# Altium PCB ebox-SPARK-丝印图.PcbDoc (part 1 of 2)
Units mm, origin at the board's own origin, x right, y up, seen from the top; angles counter-clockwise.
Board outline 50.25 x 80.28 mm, 2 copper layers (Top Layer, Bottom Layer); 69 components, 68 nets, 309 pads, 73 vias.
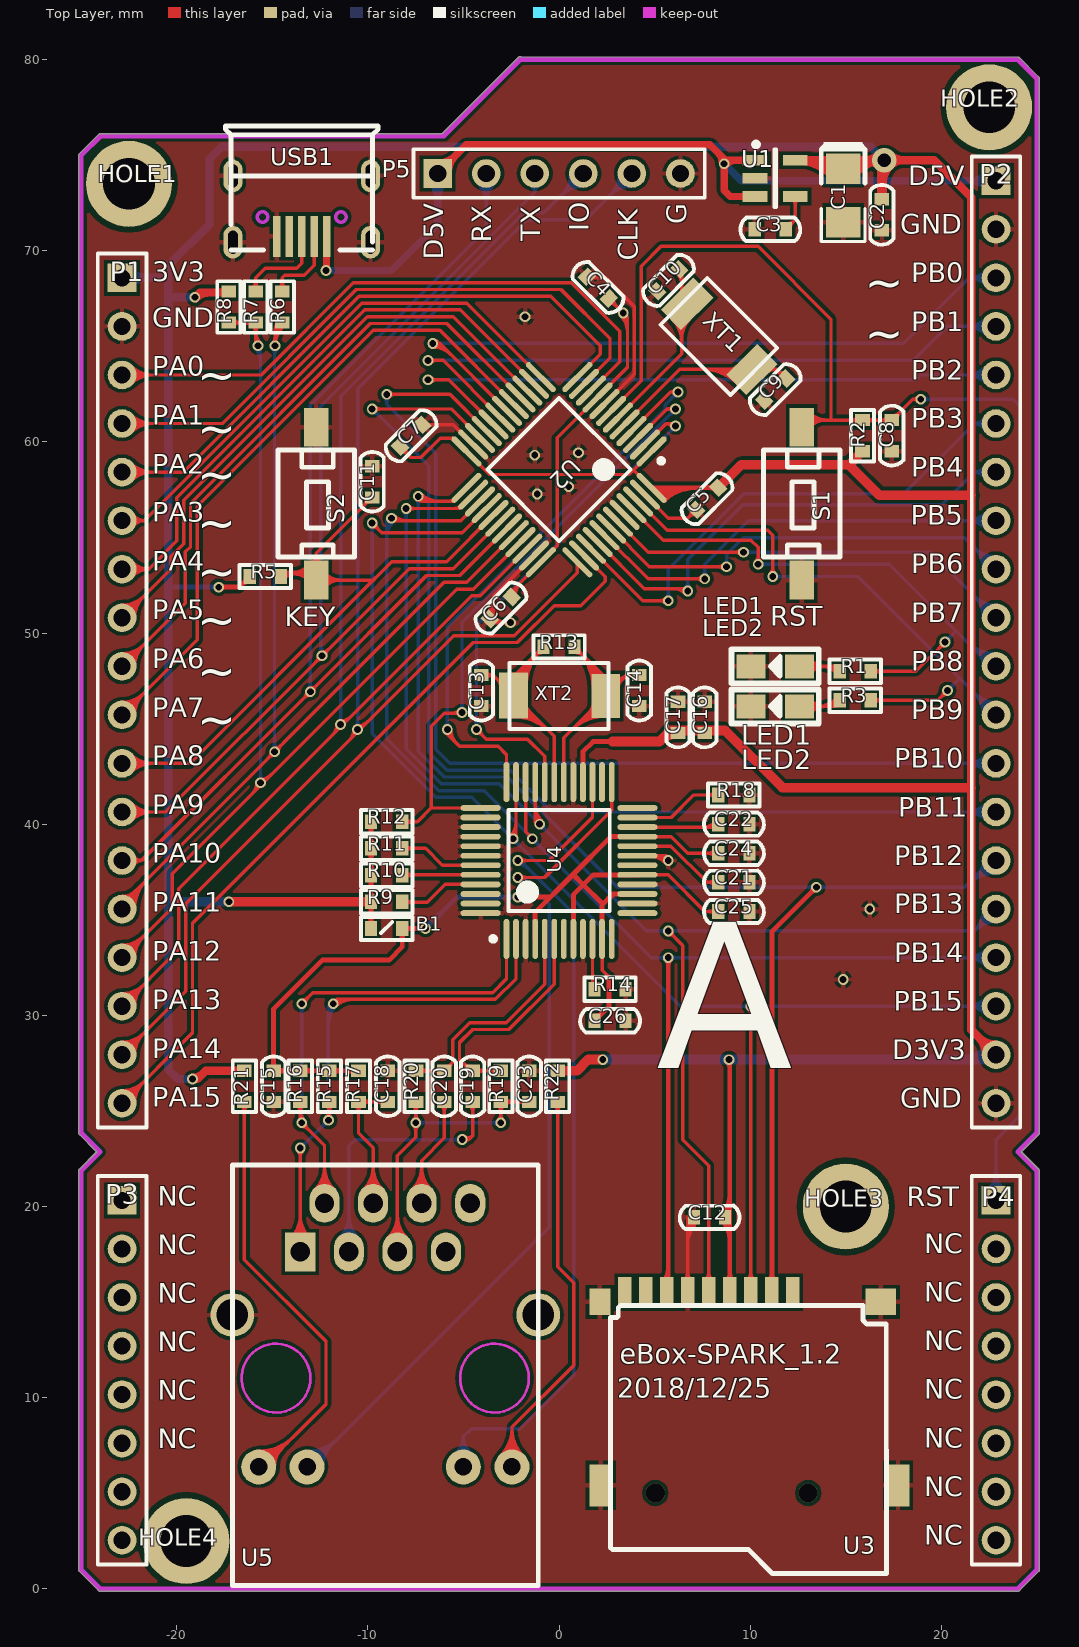
[diagram p0: Top Layer view]
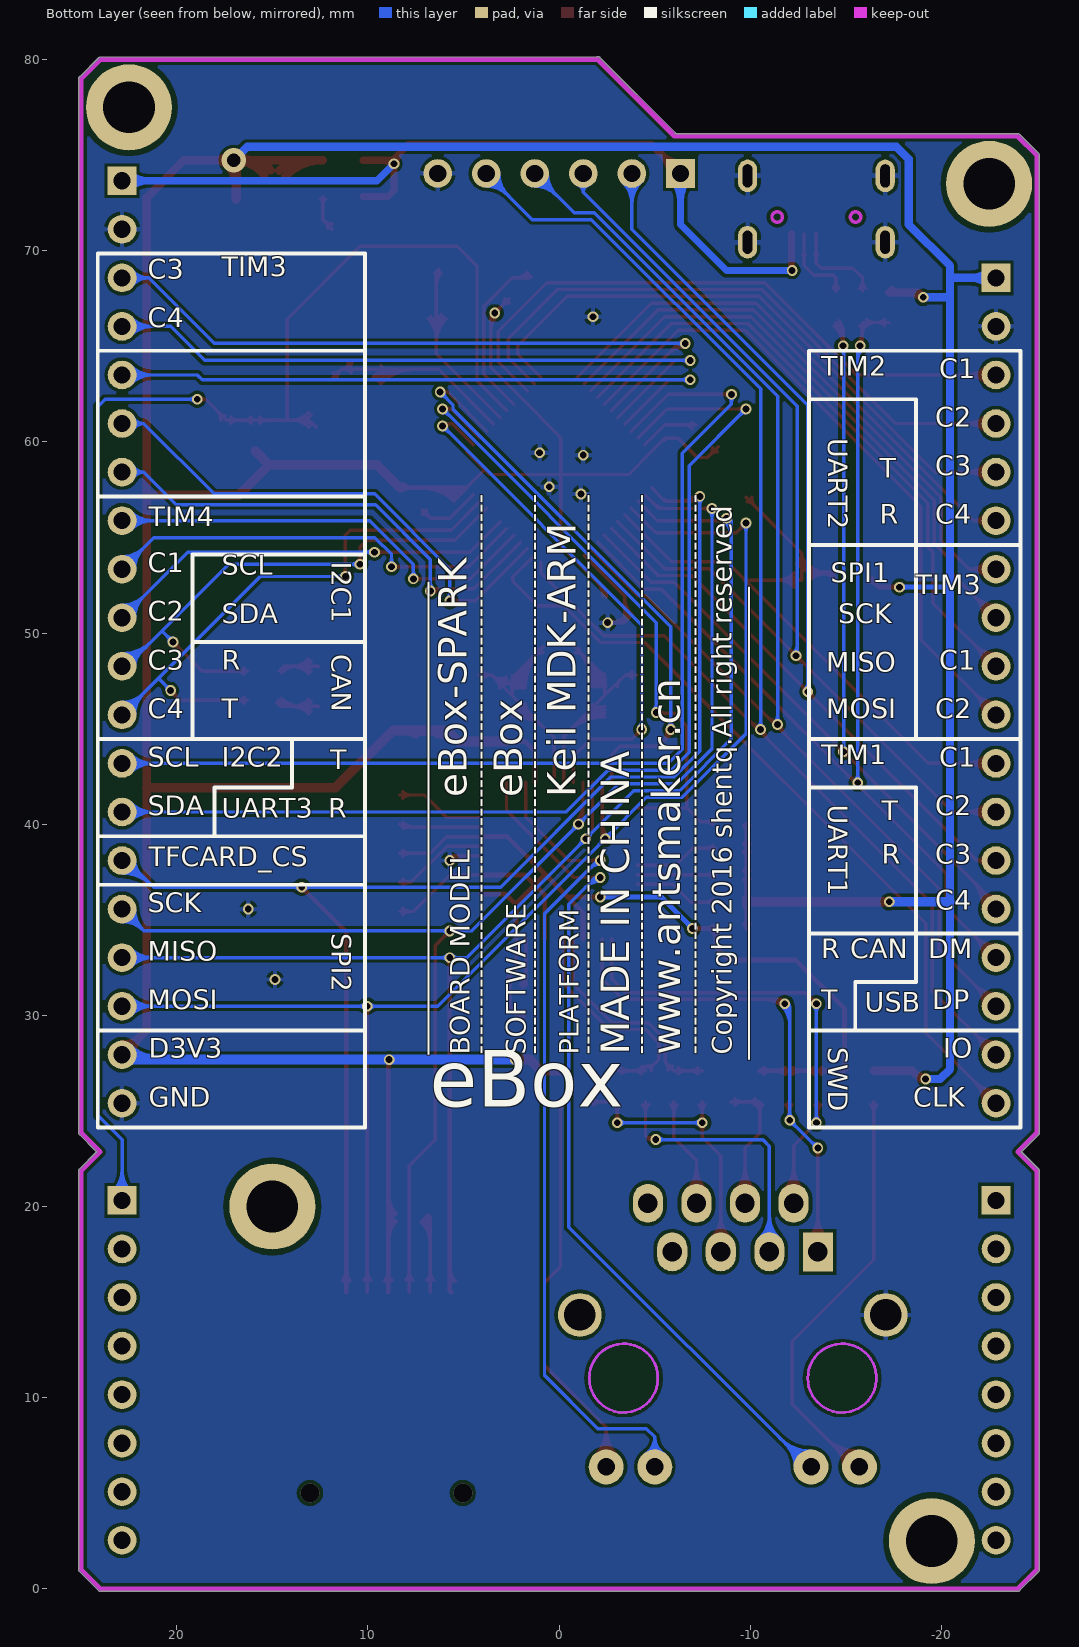
[diagram p1: Bottom Layer view, seen from below]

## Layer stack, top to bottom
Top Layer: signal copper 0.0356
Dielectric: dielectric 0.32, FR-4, Dk 4.8
Bottom Layer: signal copper 0.0356

## Board outline
-25.127,1.005 -25.127,21.863 cw(c-25,21.863) -25.09,21.953 -24.183,22.86 -25.09,23.767 cw(c-25,23.857) -25.127,23.858 cw(c-25,23.859) -25.127,23.859 -25.127,74.984 cw(c-25,74.984) -25.09,75.075 -25.09,75.074 -24.074,76.09 -24.075,76.09 cw(c-23.984,76) -23.984,76.127 -6.092,76.127 cw(c-5.969,76.096) -6.059,76.186 -2.134,80.112 cw(c-2.043,80.022) -1.991,80.137 23.992,80.128 cw(c23.992,80) 24.082,80.09 25.053,79.119 cw(c25,79.003) 25.127,79.003 25.127,23.86 cw(c25,23.86) 25.127,23.859 cw(c25,23.857) 25.127,23.857 cw(c25,23.857) 25.09,23.767 24.183,22.86 25.09,21.953 cw(c25,21.863) 25.127,21.863 25.127,1.024 cw(c25,1.024) 25.124,0.997 cw(c24.997,0.997) 25.087,0.907 24.09,-0.09 24.091,-0.09 cw(c24,0) 24,-0.127 -24,-0.127 cw(c-24,0) -24.109,-0.065 -25.09,0.915 cw(c-25,1.005)

## Design rules (kind name [scope] priority, off if disabled: settings)
Clearance [All] p1: gap=0.178
ComponentClearance [All] p1: gap=0 collisioncheckmode=3 verticalgap=0 showdistances=FALSE
HoleSize [All] p1: absolutevalues=TRUE maxlimit=25.4 minlimit=0.025 maxpercent=80.000 minpercent=20.000
HoleToHoleClearance [All] p1: gap=0.178 allowstackedmicrovias=TRUE
MinimumSolderMaskSliver [All] p1: minsoldermaskwidth=0
PolygonConnect [All] p1: connectstyle=Relief reliefconductorwidth=0.254 reliefentries=4 polygonreliefangle="90 Angle"
RoomDefinition U_W5500 [InComponentClass('U_W5500')] p1: confinementstyle=ConfineIn formatcopy=TRUE lockcomponents=FALSE outline -109.836,-22.479 -59.036,-22.479 -59.036,2.921 -109.836,2.921
RoomDefinition U_SDCARD [InComponentClass('U_SDCARD')] p2: confinementstyle=ConfineIn formatcopy=TRUE lockcomponents=FALSE outline -109.836,-22.479 -59.036,-22.479 -59.036,2.921 -109.836,2.921
RoomDefinition U_MCU [InComponentClass('U_MCU')] p3: confinementstyle=ConfineIn formatcopy=TRUE lockcomponents=FALSE outline -109.836,-22.479 -59.036,-22.479 -59.036,2.921 -109.836,2.921
RoomDefinition main [InComponentClass('main')] p4: confinementstyle=ConfineIn formatcopy=TRUE lockcomponents=FALSE outline -109.836,-22.479 -59.036,-22.479 -59.036,2.921 -109.836,2.921
RoutingVias [All] p1: holewidth=0.356 width=0.559 viastyle="Through Hole" minholewidth=0.356 minwidth=0.559 maxholewidth=7.112 maxwidth=12.7
SilkToSilkClearance [All] p1: silktosilkclearance=0
SilkscreenOverComponentPads [All] p1: minsilkscreentomaskgap=0
SolderMaskExpansion [All] p1: expansion=0.102
TestPointUsage [All] p1: valid=0 allowmultiple=FALSE
Testpoint [All] p1: side=15 testpointundercomponent=TRUE minsize=1.016 maxsize=2.54 preferedsize=1.524 minholesize=0 maxholesize=1.016 preferedholesize=0.813 testpointgrid=0.025 style=1023 order=0123456789
Width [All] p1: maxlimit=2.54 minlimit=0.178 preferedwidth=0.178
18 further rules are at their usual default settings.

## Classes and differential pairs
component class main: HOLE1 HOLE2 HOLE3 HOLE4
component class U_W5500: B1 C13 C14 C15 C16 C17 C18 C19 C20 C21 C22 C23 C24 C25 C26 R6 R7 R8 R9 R13 R14 R15 R16 R17 R18 R19 R20 R21 R22 R24 R25 R26 U4 U5 XT2
component class U_SDCARD: C12 U3
component class U_MCU: C1 C2 C3 C4 C5 C6 C7 C8 C9 C10 C11 LED1 LED2 P1 P2 P3 P4 P5 R1 R2 R3 R5 R6 R7 R8 S1 S2 U1 U2 USB1 XT1

## Components (designator, comment, footprint, x,y, rotation, side; value= is the part's Value field where it differs from the comment)
B1 "BEAD" 0603L -9.017,34.544 r0 top
C1 "10UF" 3216C 14.859,74.295 r90 top
C2 "104" 0603C 16.891,71.882 r90 top
C3 "104" 0603C 11.049,71.12 r180 top
C4 "104" 0603C 2.032,68.072 r315 top
C5 "104" 0603C 7.747,57.023 r45 top
C6 "104" 0603C -3.048,51.308 r225 top
C7 "104" 0603C -7.747,60.325 r225 top
C8 "104" 0603C 17.399,60.325 r270 top
C9 "22P" 0603C 11.303,62.738 r225 top
C10 "22P" 0603C 5.715,68.453 r225 top
C11 "104" 0603C -9.779,57.912 r270 top
C12 "104" 0603C 7.874,19.431 r180 top
C13 "22P" 0603C -4.064,46.99 r90 top
C14 "22P" 0603C 4.191,46.99 r270 top
C15 "104" 0603C -14.935,26.289 r270 top
C16 "104" 0603C 7.62,45.593 r90 top
C17 "105" 0603C 6.223,45.593 r90 top
C18 "104" 0603C -8.966,26.289 r270 top
C19 "104" 0603C -4.521,26.289 r90 top
C20 "104" 0603C -6.003,26.289 r90 top
C21 "105" 0603C 9.144,36.957 r180 top
C22 "104" 0603C 9.144,40.005 r180 top
C23 "104" 0603C -1.558,26.289 r90 top
C24 "104" 0603C 9.144,38.481 r180 top
C25 "104" 0603C 9.144,35.433 r180 top
C26 "104" 0603C 2.667,29.718 r180 top
HOLE1 "HOLE" M2.5#1 -22.098,79.375 r90 top
HOLE2 "HOLE" M2.5#2 45.993,0.762 r90 top
HOLE3 "HOLE" M2.5#3 37.103,0.762 r90 top
HOLE4 "HOLE" M2.5#4 28.213,0.762 r90 top
LED1 "LED" 0805D 11.303,48.26 r180 top
LED2 "LED" 0805D 11.303,46.164 r180 top
P1 "Header 18" HDR1X18 -22.86,68.58 r270 top
P2 "Header 20" HDR1X20 22.86,73.66 r270 top
P3 "Header 8" HDR1X8 -22.86,20.32 r270 top
P4 "Header 8" HDR1X8 22.86,20.32 r270 top
P5 "SWD" HDR1X6 -6.35,74.041 r0 top
R1 "1.5K" 0603R 15.494,48.006 r180 top
R2 "10K" 0603R 15.875,60.325 r90 top
R3 "1.5K" 0603R 15.494,46.482 r180 top
R5 "10K" 0603R -15.367,52.959 r0 top
R6 "22R" 0603R -14.478,67.056 r90 top
R7 "22R" 0603R -15.875,67.056 r90 top
R8 "1.5K" 0603R -17.272,67.056 r90 top
R9 "10K" 0603R -9.017,35.941 r180 top
R10 "10K" 0603R -9.017,37.338 r180 top
R11 "10K" 0603R -9.017,38.735 r180 top
R12 "10K" 0603R -9.017,40.132 r180 top
R13 "1M" 0603R 0,49.276 r180 top
R14 "12.4K%1" 0603R 2.667,31.369 r0 top
R15 "50R" 0603R -12.014,26.289 r90 top
R16 "50R" 0603R -13.538,26.289 r90 top
R17 "50R" 0603R -10.49,26.289 r90 top
R18 "10K" 0603R 9.144,41.529 r180 top
R19 "50R" 0603R -3.04,26.289 r270 top
R20 "50R" 0603R -7.485,26.289 r270 top
R21 "1.5K" 0603R -16.459,26.289 r270 top
R22 "1.5K" 0603R -0.076,26.289 r270 top
S1 "SW-BUTTON" SW-KEY 12.7,56.769 r90 top
S2 "SW-BUTTON" SW-KEY -12.7,56.769 r90 top locked
U1 "MIC5219" SOT23-5 11.303,73.787 r0 top
U2 "STM32F103" LQFP48 0,58.547 r225 top
U3 "TFCard" TF-2 9.5,9.779 r270 top
U4 "W5500" LQFP48 0,38.1 r90 top locked
U5 "HR911105" HR911105A -9.5,6.731 r270 top locked
USB1 "USB-Micro" USB-Micro-2 -13.462,73.914 r270 top
XT1 "8M" 5032 8.382,65.532 r135 top
XT2 "25M" 5032 0,46.736 r180 top

## Footprints (in the part's own frame and the unit in brackets; to place one, negate y for a bottom-side part, rotate by r counter-clockwise, add the part's x,y. Pads: shape width x height; smd on the part's side, far side on the other; paste and mask are expansions set on the pad)
0603C [mil]
  rect 25x30 smd: 1(-32,0) 2(32,0)
  silkscreen extent -62,-24 62,24, body extent -30,-16 33,16, height 12
0603L [mil]
  rect 25x30 smd: 1(-32,0) 2(32,0)
  silkscreen extent -53,-24 53,24, body extent -31,-16 32,16, height 24
0603R [mil]
  rect 25x30 smd: 1(-32,0) 2(32,0)
  silkscreen extent -53,-24 53,24, body extent -32,-15 30,16, height 12
0805D [mm]
  rect 1.524x1.25 smd: A(-1.27,0) K(1.27,0)
  silkscreen extent -2.29,-0.89 2.29,0.89, body extent -1.06,-0.64 0.96,0.62, height 1.1
3216C [mm] "A型"
  rect 1.6x1.8 smd: 1(0,0) 2(-2.8,0)
  silkscreen extent -3.81,-1.14 1.4,1.14, body extent -3.02,-0.8 0.18,0.8, height 1.6
5032 [mm]
  rect 1.5x2.3 smd: 1(-2.438,0.025)
  rect 1.5x2.4 smd: 2(2.388,0)
  silkscreen extent -2.59,-1.7 2.59,1.75
HDR1X6 [mm]
  rect 1.5x1.5 hole 0.9: 1(0,0)
  round 1.5 hole 0.9: 2(2.54,0) 3(5.08,0) 4(7.62,0) 5(10.16,0) 6(12.7,0)
  silkscreen extent -1.27,-1.27 13.97,1.27, body extent -1.27,-1.24 13.97,1.25, height 8.54
HDR1X8 [mm]
  rect 1.5x1.5 hole 0.9: 1(0,0)
  round 1.5 hole 0.9: 2(2.54,0) 3(5.08,0) 4(7.62,0) 5(10.16,0) 6(12.7,0) 7(15.24,0) 8(17.78,0)
  silkscreen extent -1.27,-1.27 19.05,1.27, body extent -1.24,-1.24 19.08,1.25, height 8.54
HDR1X18 [mm]
  rect 1.5x1.5 hole 0.9: 1(0,0)
  round 1.5 hole 0.9: 2(2.54,0) 3(5.08,0) 4(7.62,0) 5(10.16,0) 6(12.7,0) 7(15.24,0) 8(17.78,0) 9(20.32,0) 10(22.86,0) 11(25.4,0) 12(27.94,0) 13(30.48,0) 14(33.02,0) 15(35.56,0) 16(38.1,0) 17(40.64,0) 18(43.18,0)
  silkscreen extent -1.27,-1.27 44.45,1.27, body extent -1.24,-1.24 44.48,1.25, height 8.54
HDR1X20 [mm]
  rect 1.5x1.5 hole 0.9: 1(0,0)
  round 1.5 hole 0.9: 2(2.54,0) 3(5.08,0) 4(7.62,0) 5(10.16,0) 6(12.7,0) 7(15.24,0) 8(17.78,0) 9(20.32,0) 10(22.86,0) 11(25.4,0) 12(27.94,0) 13(30.48,0) 14(33.02,0) 15(35.56,0) 16(38.1,0) 17(40.64,0) 18(43.18,0) 19(45.72,0) 20(48.26,0)
  silkscreen extent -1.27,-1.27 49.53,1.27, body extent -1.24,-1.24 49.56,1.25, height 8.54
HR911105A [mil] "HR911105A"
  rect 80x62 hole 40: 1(-429,-159)
  oval 80x62 hole 40: 2(-529,-109) 3(-429,-59) 4(-529,-9) 5(-429,41) 6(-529,91) 7(-429,141) 8(-529,191)
  round 72 hole 36: 9(13.91,-244.63) 10(13.91,-145) 11(13.91,176.87) 12(13.91,277)
  round 90 hole 65: 13(-299.08,-298.76) 14(-299.08,331.16)
  Keep-Out Layer circle w5: c-169,-209 r70.8
  Keep-Out Layer circle w5: c-169,241 r70.8
  Multi-Layer circle w5: c-169,241 r70.8
  Multi-Layer circle w5: c-169,-209 r70.8
  silkscreen extent -608,-299 258,331
LQFP48 [mm]
  oval 2.1x0.3 smd: 1(-4.1,2.75) 2(-4.1,2.25) 3(-4.1,1.75) 4(-4.1,1.25) 5(-4.1,0.75) 6(-4.1,0.25) 7(-4.1,-0.25) 8(-4.1,-0.75) 9(-4.1,-1.25) 10(-4.1,-1.75) 11(-4.1,-2.25) 12(-4.1,-2.75) 25(4.1,-2.75) 26(4.1,-2.25) 27(4.1,-1.75) 28(4.1,-1.25) 29(4.1,-0.75) 30(4.1,-0.25) 31(4.1,0.25) 32(4.1,0.75) 33(4.1,1.25) 34(4.1,1.75) 35(4.1,2.25) 36(4.1,2.75)
  oval 0.3x2.1 smd: 13(-2.75,-4.1) 14(-2.25,-4.1) 15(-1.75,-4.1) 16(-1.25,-4.1) 17(-0.75,-4.1) 18(-0.25,-4.1) 19(0.25,-4.1) 20(0.75,-4.1) 21(1.25,-4.1) 22(1.75,-4.1) 23(2.25,-4.1) 24(2.75,-4.1) 37(2.75,4.1) 38(2.25,4.1) 39(1.75,4.1) 40(1.25,4.1) 41(0.75,4.1) 42(0.25,4.1) 43(-0.25,4.1) 44(-0.75,4.1) 45(-1.25,4.1) 46(-1.75,4.1) 47(-2.25,4.1) 48(-2.75,4.1)
  silkscreen extent -4.22,-2.65 2.65,3.57, body extent -4.5,-4.5 4.5,4.5, height 1.4
M2.5#1 [mm]
  round 4.5 hole 2.7: 0(-5.875,0.402)
M2.5#2 [mm]
  round 4.5 hole 2.7: 0(76.738,23.493)
M2.5#3 [mm]
  round 4.5 hole 2.7: 0(19.238,22.103)
M2.5#4 [mm]
  round 4.5 hole 2.7: 0(1.738,47.713)
SOT23-5 [mm] "SOT23, 5-Leads, Body 3.0x2.6mm (max), Pitch 0.95mm, IPC Medium Density"
  rect 1.3x0.55 smd: 1(-1.051,0.95) 2(-1.051,0) 3(-1.051,-0.95) 4(1.051,-0.95) 5(1.051,0.95)
  silkscreen extent -1.12,-1.5 0.05,1.9, body extent -1.48,-1.45 1.32,1.45, height 1.45
SW-KEY [mm]
  rect 2.032x1.27 smd: 1(-4,0) 2(4,0)
  silkscreen extent -2.8,-2 2.8,2
TF-2 [mm]
  rect 1.4x1.6 smd: 0(-5.236,7.333)
  rect 1.4x1.1 smd: 0(-5.236,-7.367)
  rect 2.2x1.2 smd: 0(4.364,8.233) 0(4.364,-7.317)
  rect 1.6x0.7 smd: 1(-5.736,2.733) 2(-5.736,1.633) 3(-5.736,0.533) 4(-5.736,-0.567) 5(-5.736,-1.667) 6(-5.736,-2.767) 7(-5.736,-3.867) 8(-5.736,-4.967) 9(-5.736,-6.067)
  silkscreen extent -5.03,-6.81 8.98,7.63, body extent -6.41,-7.59 8.84,8.41, height 1.95
USB-Micro-2 [mm]
  oval 1.7x1 hole 0.5 slot 1.2 at 0 deg: 0(0,3.6) 0(0,-3.6) 0(3.47,3.6) 0(3.47,-3.6)
  rect 2.15x0.4 smd: 1(3.16,1.3) 2(3.16,0.65) 3(3.16,0) 4(3.16,-0.65) 5(3.16,-1.3)
  Keep-Out Layer circle w0.178: c2.15,2.05 r0.275
  Keep-Out Layer circle w0.178: c2.15,-2.05 r0.275
  silkscreen extent -2.62,-4 3.87,4, body extent -1.94,-4.4 3.66,4.4, height 2.74

## Part data
B1: "磁珠"
C1: library part CAP-T, "钽电容"
C2 C3 C4 C5 C6 C7 C8 C9 C10 C11 C12 C13 C14 C15 C16 C17 C18 C19 C20 C21 C22 C23 C24 C25 C26: library part CAP, "普通小电容"
HOLE1 HOLE2 HOLE3 HOLE4: "standard screw"
P1: "Header, 18-Pin"
P2: "Header, 20-Pin"
P3 P4: "Header, 8-Pin"
P5: "单片机端"
R1 R2 R3 R5 R6 R7 R8 R9 R10 R11 R12 R13 R14 R15 R16 R17 R18 R19 R20 R21 R22: library part RES, "普通电阻"
U3: library part TFCARD
USB1: "USB 1.1, Right Angle, SMT, A Type, Plug, 4 Position, Natural"
XT1 XT2: library part XT, "晶振"

## Via types
v1: diameter 0.559, hole 0.356, Top Layer to Bottom Layer, tented both sides, 70 vias
v2: diameter 1, hole 1, Top Layer to Bottom Layer, tented both sides, 2 vias
v3: diameter 1.27, hole 0.711, Top Layer to Bottom Layer, tented both sides, 1 vias

## Nets (pads, with @x,y where several pads share a name; then routed paths per layer and width w, separated by ;. In a path a pad name is that pad's centre, name@x,y a point inside that pad or via, vN(x,y) a via of type N, cw(c..) or ccw(c..) an arc to the next point about the centre after c; other vN are vias at no path point)
A3V3: B1.2 C15.1 C24.2 C25.2 C26.2 R15.2 R16.2 R17.2 U4.4 U4.8 U4.11 U4.15 U4.17 U4.21 | length 71.2
  Top Layer w0.178: U4.11@2.25,34 2.25,32.37 2.616,32.004 ; U4.17@4.1,37.35 5.703,37.35 7.62,35.433 C25.2@8.331,35.433 ; U4.21@4.1,39.35 5.872,39.35 6.741,38.481 C24.2@8.331,38.481 ; C25.2@8.17,35.271 ccw(c7.779,34.881) 7.779,35.433 ccw(c7.779,35.985) C25.2@8.17,35.595 ; C24.2@8.17,38.319 ccw(c7.779,37.929) 7.779,38.481 ccw(c7.779,39.033) C24.2@8.17,38.643
  Top Layer w0.254: C15.1@-15.07,27.237 ccw(c-15.395,27.562) -14.935,27.562 ccw(c-14.475,27.562) C15.1@-14.8,27.237 ; C15.1@-14.737,26.967 cw(c-14.412,26.642) -14.412,27.102 cw(c-14.412,27.562) C15.1@-14.737,27.237 ; R16.2@-13.736,26.967 ccw(c-14.062,26.642) -14.062,27.102 ccw(c-14.062,27.562) R16.2@-13.736,27.237 ; R16.2@-13.34,26.967 cw(c-13.015,26.642) -13.015,27.102 cw(c-13.015,27.562) R16.2@-13.34,27.237 ; R15.2@-12.212,26.967 ccw(c-12.538,26.642) -12.538,27.102 ccw(c-12.538,27.562) R15.2@-12.212,27.237 ; R15.2@-11.816,26.967 cw(c-11.491,26.642) -11.491,27.102 cw(c-11.491,27.562) R15.2@-11.816,27.237 ; R17.2@-10.688,26.967 ccw(c-11.014,26.642) -11.014,27.102 ccw(c-11.014,27.562) R17.2@-10.688,27.237 ; R17.2@-10.49,27.102 R15.2@-12.014,27.102 R16.2@-13.538,27.102 C15.1@-14.935,27.102 -14.935,30.341 -12.383,32.893 -8.89,32.893 -8.204,33.579 B1.2@-8.204,34.544 v1(-6.985,34.544) ; B1.2@-8.339,34.346 cw(c-8.664,34.021) -8.204,34.021 cw(c-7.744,34.021) B1.2@-8.069,34.346 ; B1.2@-8.069,34.409 cw(c-7.744,34.084) -7.744,34.544 cw(c-7.744,35.004) B1.2@-8.069,34.679 ; v1@-7.093,34.436 ccw(c-7.353,34.176) -7.353,34.544 ccw(c-7.353,34.912) v1@-7.093,34.652 ; v1(-2.159,36.195) -0.508,36.195 ; v1@-2.051,36.087 cw(c-1.791,35.827) -1.791,36.195 cw(c-1.791,36.563) v1@-2.051,36.303 ; U4.4@-1.25,34 -1.25,35.389 0.73,37.37 ; U4.8@0.75,34 0.75,36.31 1.27,36.83 ; C26.2@1.854,29.718 2.616,30.48 2.616,32.004 ; C26.2@1.854,29.972 ccw(c1.854,30.585) 2.288,30.152 ; C26.2@2.045,29.781 cw(c2.351,29.781) C26.2@2.135,29.998 ; U4.11@2.25,34 2.25,35.778 2.822,36.35 U4.15@4.1,36.35 ; 2.25,35.85 1.27,36.83 ; U4.17@4.1,37.35 1.79,37.35 1.27,36.83 ; U4.21@4.1,39.35 2.711,39.35 0.73,37.37 ; 0.73,37.37 1.27,36.83
  Bottom Layer w0.254: v1(-6.985,34.544) -5.334,36.195 v1(-2.159,36.195) ; v1@-6.985,34.696 ccw(c-6.985,35.064) -6.725,34.804 ccw(c-6.465,34.544) v1@-6.833,34.544 ; v1@-2.267,36.087 ccw(c-2.527,35.827) -2.527,36.195 ccw(c-2.527,36.563) v1@-2.267,36.303
ACTLED: U4.27 U5.11 | length 48.6
  Top Layer w0.178: v1(-2.159,38.1) -0.508,38.1 1.75,40.358 U4.27@1.75,42.2 ; v1@-2.024,37.965 cw(c-1.699,37.64) -1.699,38.1 cw(c-1.699,38.56) v1@-2.024,38.235
  Bottom Layer w0.178: U5.11@-5.475,7.058 ccw(c-6.085,7.946) -5.008,7.946 ; U5.11@-5.374,6.911 ccw(c-5.853,7.608) -5.008,7.608 ccw(c-4.162,7.608) U5.11@-4.641,6.911 ; U5.11@-5.008,6.378 -5.008,7.946 ; U5.11@-4.54,7.058 cw(c-3.93,7.946) -5.008,7.946 ; v1@-2.159,37.91 cw(c-2.159,37.143) -1.617,37.685 ; v1(-2.159,38.1) -2.032,38.1 0.762,35.306 0.762,11.176 -2.032,8.382 -4.572,8.382 -5.008,7.946
D3V3: B1.1 C1.1 C2.2 C4.2 C5.2 C6.1 C7.2 C12.1 C16.1 C17.1 P1.1 P2.19 R2.1 R5.1 R8.2 R9.2 R10.2 R11.2 R12.2 R21.1 R22.1 U1.5 U2.1 U2.9 U2.24 U2.36 U2.48 U3.4 U4.28 | length 329.6
  Top Layer w0.178: C7.2@-8.322,59.75 -7.753,59.182 -7.239,59.182 -6.223,60.198 -5.54,60.198 U2.24@-4.844,59.502 -3.634,58.292 -0.099,58.292 ; C7.2@-8.277,59.477 cw(c-8.277,58.925) -7.887,59.315 cw(c-7.496,59.705) C7.2@-8.048,59.705 ; -5.772,60.198 cw(c-5.772,59.846) U2.24@-5.523,60.095 ; C6.1@-2.473,51.883 -2.473,52.185 U2.36@-0.955,53.703 -0.099,54.559 -0.099,58.292 ; C6.1@-2.467,51.928 cw(c-1.833,51.928) -2.281,52.376 ; C6.1@-2.29,51.928 cw(c-1.226,51.928) -1.978,52.68 ; C4.2@2.607,67.269 cw(c2.607,66.717) 2.997,67.107 cw(c3.387,67.497) C4.2@2.835,67.497 ; C4.2@2.607,67.497 v1(3.362,66.742) 3.581,66.523 3.581,63.896 U2.9@2.015,62.33 -0.099,60.216 -0.099,58.292 ; v1@3.172,66.742 ccw(c2.712,66.742) 3.037,67.067 ccw(c3.362,67.392) v1@3.362,66.932 ; v1@3.228,66.607 cw(c2.374,65.753) 3.581,65.753 ; v1@3.353,66.733 cw(c2.803,66.182) 3.581,66.182 ; 3.912,58.524 U2.48@4.844,57.592 ; U2.48@4.144,58.292 U2.48@4.844,57.592 ; U2.1@4.844,59.502 3.634,58.292 -0.099,58.292 ; U2.48@4.849,57.598 U2.48@4.844,57.592
  Top Layer w0.254: v1(-17.805,52.4) -16.739,52.4 R5.1@-16.18,52.959 ; v1@-17.698,52.292 cw(c-17.437,52.032) -17.437,52.4 cw(c-17.437,52.768) v1@-17.698,52.508 ; -16.613,52.525 cw(c-16.18,52.092) R5.1@-16.18,52.705 ; R5.1@-16.46,52.679 ccw(c-16.677,52.895) R5.1@-16.37,52.895 ; B1.1@-9.965,34.742 ccw(c-10.29,35.067) -9.83,35.067 ccw(c-9.37,35.067) B1.1@-9.695,34.742 ; R9.2@-9.965,35.743 cw(c-10.29,35.418) -9.83,35.418 cw(c-9.37,35.418) R9.2@-9.695,35.743 ; R9.2@-9.965,36.139 ccw(c-10.29,36.464) -9.83,36.464 ccw(c-9.37,36.464) R9.2@-9.695,36.139 ; R10.2@-9.965,37.14 cw(c-10.29,36.815) -9.83,36.815 cw(c-9.37,36.815) R10.2@-9.695,37.14 ; R10.2@-9.965,37.536 ccw(c-10.29,37.861) -9.83,37.861 ccw(c-9.37,37.861) R10.2@-9.695,37.536 ; R11.2@-9.965,38.537 cw(c-10.29,38.212) -9.83,38.212 cw(c-9.37,38.212) R11.2@-9.695,38.537 ; R11.2@-9.965,38.933 ccw(c-10.29,39.258) -9.83,39.258 ccw(c-9.37,39.258) R11.2@-9.695,38.933 ; R12.2@-9.965,39.934 cw(c-10.29,39.609) -9.83,39.609 cw(c-9.37,39.609) R12.2@-9.695,39.934 ; B1.1@-9.83,34.544 -9.83,35.909 -9.83,37.274 -9.83,38.64 R12.2@-9.83,40.005 ; U4.28@1.25,42.2 1.25,43.795 1.778,44.323 2.794,44.323 ; U2.48@4.849,57.598 C5.2@8.322,57.598 ; U2.48@4.958,57.479 cw(c5.245,57.191) 5.245,57.598 ; U2.48@5.137,57.299 cw(c5.858,56.578) 5.858,57.598 ; U2.48@5.317,57.119 cw(c6.472,55.964) 6.472,57.598 ; U2.48@5.496,56.94 cw(c7.085,55.351) 7.085,57.598 ; 7.709,57.598 ccw(c7.709,58.211) C5.2@8.142,57.777 ; C5.2@7.925,57.598 cw(c7.925,57.291) C5.2@8.142,57.508 ; C12.1@8.552,19.233 cw(c7.634,18.314) 8.933,18.314 ; C12.1@8.552,19.629 ccw(c7.634,20.548) 8.933,20.548 ; C12.1@8.732,19.412 cw(c8.247,18.927) 8.933,18.927 ; C12.1@8.732,19.45 ccw(c8.247,19.935) 8.933,19.935 ; U3.4@8.775,16.122 ccw(c8.394,16.503) 8.933,16.503 ccw(c9.471,16.503) U3.4@9.09,16.122 ; v1@8.782,27.578 cw(c8.419,27.215) 8.933,27.215 ; v1(8.89,27.686) 8.933,27.643 U3.4@8.933,15.515
  Top Layer w0.432: v1(-19.177,26.67) -18.923,26.67 -18.491,27.102 R21.1@-16.459,27.102 ; v1@-19.177,26.733 ccw(c-19.177,27.5) -18.635,26.958 ; v1(-19.05,67.564) -18.796,67.818 R8.2@-17.272,67.818 ; v1@-19.005,67.519 cw(c-18.283,66.797) -18.283,67.818 ; -17.703,67.818 ccw(c-17.703,68.237) R8.2@-17.407,67.941 ; U1.5@12.354,74.737 v3(17.018,74.737) ; U1.5@12.354,74.737 cw(c12.354,71.989) C1.1@14.337,73.891 ; 13.366,74.737 cw(c13.366,72.96) C1.1@14.649,74.19 ; C1.1@15.081,74.203 cw(c16.151,73.396) 16.151,74.737 ; C1.1@15.425,73.943 cw(c17.018,72.742) v3@17.018,74.737 ; v3@16.722,74.441 ccw(c16.006,73.725) 16.006,74.737 ccw(c16.006,75.749) v3@16.722,75.033 ; v3@17.314,74.441 cw(c18.03,73.725) 18.03,74.737 cw(c18.03,75.749) v3@17.314,75.033 ; P2.19@22.326,27.94 ccw(c21.036,27.94) 21.948,28.852 ccw(c22.86,29.764) P2.19@22.86,28.474 ; P2.19@22.86,27.94 21.565,29.235 21.565,41.91 21.565,57.201 21.565,72.796 19.624,74.737 v3(17.018,74.737)
  Top Layer w0.508: v1(-17.272,35.941) R9.2@-9.83,35.941 ; R22.1@-0.076,27.102 0.94,27.102 1.524,27.686 v1(2.286,27.686) ; 2.794,44.323 5.258,44.323 5.842,44.907 8.687,44.907 11.684,41.91 21.565,41.91 ; 5.292,44.357 cw(c6.159,43.49) C17.1@6.159,44.717 ; C17.1@6.331,44.735 cw(c6.746,44.32) 6.746,44.907 ; 7.097,44.907 cw(c7.097,44.32) C16.1@7.512,44.735 ; C5.2@8.322,57.598 9.525,58.801 15.164,58.801 ; R2.1@15.875,59.512 15.164,58.801 ; C2.2@16.891,72.695 16.891,74.61 v3(17.018,74.737) ; 16.891,73.511 cw(c18.244,73.511) v3@17.287,74.468 ; 21.565,57.201 16.764,57.201 15.164,58.801
  Bottom Layer w0.254: -20.422,52.4 v1(-17.805,52.4) ; v1@-17.913,52.292 ccw(c-18.173,52.032) -18.173,52.4 ccw(c-18.173,52.768) v1@-17.913,52.508
  Bottom Layer w0.432: P1.1@-22.86,68.58 -20.447,68.58 ; P1.1@-22.482,68.202 cw(c-21.571,67.291) -21.571,68.58 cw(c-21.571,69.869) P1.1@-22.482,68.958 ; -20.447,31.496 -20.447,31.75 ; v1(-19.177,26.67) -19.939,26.67 -20.447,27.178 -20.447,31.75 ; v1(-19.05,67.564) -20.447,67.564 ; v3@17.018,74.887 v3(17.018,74.737) 16.317,75.438 -17.653,75.438 -18.288,74.803 -18.288,71.374 -20.447,69.215 -20.447,68.58 ; -20.447,31.75 -20.447,35.941 -20.447,67.564 ; -20.447,67.564 -20.447,68.58
  Bottom Layer w0.508: -20.447,35.941 v1(-17.272,35.941) ; v1(2.286,27.686) 22.606,27.686 P2.19@22.86,27.94 ; 21.049,27.686 ccw(c21.049,29.751) P2.19@22.509,28.291
D5V: P2.1 P5.1 U1.1 U1.3 USB1.1 | length 55
  Top Layer w0.381: v1@-12.255,69.024 ccw(c-12.479,69.248) -12.162,69.248 ; v1(-12.192,68.961) -12.162,68.991 USB1.1@-12.162,70.754 USB1.1@-12.162,70.881 ; P5.1@-6.35,74.041 -4.851,75.54 7.899,75.54 8.636,74.803 v1(8.636,74.549) ; P5.1@-6.35,74.6 ccw(c-6.35,75.951) -5.395,74.996 ccw(c-4.44,74.041) P5.1@-5.791,74.041 ; 8.305,75.134 cw(c7.719,74.549) v1@8.547,74.549 ; v1@8.699,74.486 cw(c9.304,73.881) 9.304,74.737 ; U1.3@10.252,72.837 8.951,72.837 8.636,73.152 v1(8.636,74.549) ; U1.1@10.252,74.737 8.824,74.737 v1(8.636,74.549)
  Bottom Layer w0.381: v1(-12.192,68.961) -8.763,68.961 -6.35,71.374 P5.1@-6.35,74.041 ; P5.1@-6.746,73.645 cw(c-7.701,72.69) -6.35,72.69 cw(c-4.999,72.69) P5.1@-5.954,73.645 ; v1(8.636,74.549) 9.525,73.66 P2.1@22.86,73.66 ; P2.1@22.464,73.264 ccw(c21.509,72.309) 21.509,73.66 ccw(c21.509,75.011) P2.1@22.464,74.056
GND: C1.2 C2.1 C3.2 C4.1 C5.1 C6.2 C7.1 C8.2 C9.2 C10.2 C11.1 C12.2 C13.1 C14.2 C15.2 C16.2 C17.2 C18.1 C21.1 C22.1 C23.2 C24.1 C25.1 C26.1 LED1.K LED2.K P1.2 P2.2 P2.20 P5.6 R14.2 R18.1 S1.1 S2.2 U1.2 U2.8 U2.23 U2.35 U2.44 U2.47 U3.0 U3.6 U4.3 U4.9 U4.14 U4.16 U4.19 U4.29 U4.38 U4.39 U4.40 U4.41 U4.42 U4.48 U5.13 USB1.0 USB1.5 | length 39.7
  Top Layer w0.178: C7.1@-7.172,60.9 -5.535,60.9 U2.23@-4.49,59.855 ; C7.1@-6.966,60.693 cw(c-6.467,60.195) -6.467,60.9 ; C7.1@-6.966,61.016 ccw(c-6.684,61.298) -6.684,60.9 ; C6.2@-3.829,50.94 ccw(c-4.796,51.906) -3.429,51.906 ; C6.2@-3.704,50.814 ccw(c-4.366,51.477) -3.429,51.477 ; C6.2@-3.623,50.733 -3.429,50.927 -3.429,51.936 U2.35@-1.308,54.057 ; C6.2@-3.578,50.688 ccw(c-3.937,51.048) -3.429,51.048 ; C6.2@-3.542,50.724 ccw(c-3.111,51.155) -3.111,50.546 ; C6.2@-3.435,50.546 v1(-2.54,50.546) ; C6.2@-3.416,50.85 ccw(c-2.682,51.584) v1@-2.682,50.546 ; v1@-2.675,50.411 ccw(c-3,50.086) -3,50.546 ccw(c-3,51.006) v1@-2.675,50.681 ; C4.1@1.457,68.647 1.524,68.58 2.44,68.58 3.937,67.083 3.937,63.545 U2.8@2.369,61.976 ; C4.1@1.538,68.728 ccw(c1.894,69.084) 1.894,68.58 ; C4.1@1.664,68.853 ccw(c2.324,69.513) 2.324,68.58 ; U4.19@4.1,38.35 5.465,38.35 v1(5.715,38.1) ; U2.47@4.49,57.239 5.722,56.007 6.731,56.007 C5.1@7.172,56.448 ; U4.19@4.652,38.35 cw(c4.652,37.037) v1@5.58,37.965 ; U4.19@5.081,38.35 cw(c5.081,37.466) v1@5.706,38.091 ; 5.51,38.35 cw(c5.51,37.895) v1@5.832,38.217 ; U3.6@6.548,16.149 ccw(c6.102,16.595) 6.733,16.595 ccw(c7.363,16.595) U3.6@6.917,16.149 ; U3.6@6.733,15.515 6.733,19.229 C12.2@6.934,19.431 ; 6.733,18.022 cw(c8.406,18.022) C12.2@7.223,19.206 ; 6.733,18.452 cw(c7.977,18.452) C12.2@7.097,19.332 ; 6.733,18.881 cw(c7.548,18.881) C12.2@6.971,19.457 ; 6.733,19.31 cw(c7.119,19.31) C12.2@6.846,19.583 ; C5.1@6.944,56.448 cw(c6.392,56.448) 6.782,56.058 cw(c7.172,55.668) C5.1@7.172,56.22
  other v1: 14.859,31.877 16.256,35.56 -1.143,57.277 0.508,57.658 -1.27,59.309 1.016,59.436 -1.778,66.548
LINKLED: U4.25 U5.10 | length 55.1
  Top Layer w0.178: v1(-2.159,37.211) -0.762,37.211 2.75,40.723 U4.25@2.75,42.2 ; v1@-2.024,37.076 cw(c-1.699,36.751) -1.699,37.211 cw(c-1.699,37.671) v1@-2.024,37.346
  Bottom Layer w0.178: U5.10@-13.183,6.378 -13.053,6.378 -0.508,18.923 -0.508,35.814 -1.372,36.678 ; U5.10@-13.183,6.67 ccw(c-13.183,7.688) -12.463,6.968 ; U5.10@-13.183,6.848 ccw(c-13.183,8.295) -12.16,7.271 ; U5.10@-13.183,7.025 ccw(c-13.183,8.902) -11.856,7.575 ; U5.10@-13.183,7.203 ccw(c-13.183,9.509) -11.553,7.878 ; U5.10@-12.713,6.378 cw(c-11.892,6.378) -12.472,6.959 ; U5.10@-12.535,6.378 cw(c-11.285,6.378) -12.169,7.262 ; U5.10@-12.357,6.378 cw(c-10.677,6.378) -11.865,7.566 ; v1@-2.159,37.02 cw(c-2.159,35.947) -1.4,36.706 ; v1@-2.159,37.198 cw(c-2.159,36.554) -1.704,37.01 ; v1(-2.159,37.211) -1.905,37.211 -1.372,36.678 ; -1.372,36.703 -1.372,36.678
MISO: P2.17 U2.27 U3.7 U4.34 | length 85.6
  Top Layer w0.178: v1(-8.763,56.007) -8.636,55.88 -5.142,55.88 U2.27@-4.137,56.885 ; v1@-8.754,56.016 ccw(c-8.426,56.344) -8.426,55.88 ; v1@-8.628,56.142 ccw(c-7.996,56.774) -7.996,55.88 ; U4.34@-1.75,42.2 -1.75,39.596 v1(-1.397,39.243)
  Top Layer w0.254: U3.7@5.475,16.122 ccw(c4.895,16.702) 5.715,16.702 ; v1@5.607,32.912 cw(c5.347,32.652) 5.715,32.652 cw(c6.083,32.652) v1@5.823,32.912 ; U3.7@5.633,15.515 5.715,15.597 v1(5.715,33.02)
  Bottom Layer w0.178: -9.017,54.934 cw(c-7.69,54.934) v1@-8.628,55.872 ; -9.017,55.363 cw(c-8.119,55.363) v1@-8.754,55.998 ; -9.017,55.792 cw(c-8.548,55.792) v1@-8.88,56.124 ; v1(-8.763,56.007) -9.017,55.753 -9.017,44.47 -6.304,41.758 -3.912,41.758 v1(-1.397,39.243) 4.826,33.02 P2.17@22.86,33.02 ; v1@-1.587,39.243 ccw(c-2.047,39.243) -1.722,39.568 ccw(c-1.397,39.893) v1@-1.397,39.433 ; v1@-1.397,39.052 cw(c-1.397,38.593) -1.072,38.918 cw(c-0.747,39.243) v1@-1.207,39.243 ; v1@5.58,32.885 ccw(c5.255,32.56) 5.255,33.02 ccw(c5.255,33.48) v1@5.58,33.155 ; v1@5.85,32.885 cw(c6.175,32.56) 6.175,33.02 cw(c6.175,33.48) v1@5.85,33.155 ; P2.17@22.393,32.553 ccw(c21.264,31.424) 21.264,33.02 ccw(c21.264,34.616) P2.17@22.393,33.487 ; P2.17@22.518,32.678 ccw(c21.693,31.853) 21.693,33.02 ccw(c21.693,34.187) P2.17@22.518,33.362
MOSI: P2.18 U2.28 U3.3 U4.35 | length 85.9
  Top Layer w0.178: v1@-9.779,55.562 cw(c-9.779,55.103) -9.454,55.428 cw(c-9.129,55.753) v1@-9.589,55.753 ; v1(-9.779,55.753) -9.271,55.245 -5.07,55.245 U2.28@-3.783,56.532 ; v1@-2.548,39.378 ccw(c-3.266,40.096) -2.25,40.096 ; v1@-2.422,39.252 ccw(c-2.837,39.667) -2.25,39.667 ; v1(-2.413,39.243) -2.25,39.406 U4.35@-2.25,42.2 ; U3.3@9.848,16.149 ccw(c9.402,16.595) 10.033,16.595 ccw(c10.663,16.595) U3.3@10.217,16.149 ; v1@9.898,30.345 cw(c9.574,30.021) 10.033,30.021 ; U3.3@10.033,15.515 v1@10.033,30.48 ; 10.033,30.019 cw(c10.494,30.019) v1@10.168,30.345
  Bottom Layer w0.178: v1@-9.914,55.618 cw(c-10.239,55.293) -9.779,55.293 cw(c-9.319,55.293) v1@-9.644,55.618 ; v1(-9.779,55.753) -9.779,44.73 -6.451,41.402 -4.572,41.402 v1(-2.413,39.243) 6.35,30.48 P2.18@22.86,30.48 ; v1@-2.603,39.243 ccw(c-3.063,39.243) -2.738,39.568 ccw(c-2.413,39.893) v1@-2.413,39.433 ; v1@-2.413,39.052 cw(c-2.413,38.593) -2.088,38.918 cw(c-1.763,39.243) v1@-2.223,39.243 ; v1@9.898,30.345 ccw(c9.573,30.02) 9.573,30.48 ccw(c9.573,30.94) v1@9.898,30.615 ; v1@10.168,30.345 cw(c10.493,30.02) 10.493,30.48 cw(c10.493,30.94) v1@10.168,30.615 ; P2.18@22.393,30.013 ccw(c21.264,28.884) 21.264,30.48 ccw(c21.264,32.076) P2.18@22.393,30.947 ; P2.18@22.518,30.138 ccw(c21.693,29.313) 21.693,30.48 ccw(c21.693,31.647) P2.18@22.518,30.822
  other v1: 10.033,30.48
NetC3_1: C3.1 U1.4 | length 3.5
  Top Layer w0.178: C3.1@11.862,71.12 12.354,71.612 ; C3.1@11.864,71.412 ccw(c11.871,72.095) 12.354,71.612 ; C3.1@12.09,71.183 cw(c12.489,71.183) 12.207,71.465 ; U1.4@12.222,72.705 cw(c11.905,72.388) 12.354,72.388 cw(c12.803,72.388) U1.4@12.485,72.705 ; U1.4@12.354,72.837 12.354,71.612
NetC9_1: C9.1 U2.5 XT1.1 | length 18.8
  Top Layer w0.178: U2.5@3.429,60.916 6.303,63.79 XT1.1@10.088,63.79 11.401,63.79 ; 7.527,63.79 cw(c7.527,61.228) XT1.1@9.338,63.04 ; 7.956,63.79 cw(c7.956,61.657) XT1.1@9.464,63.165 ; 8.385,63.79 cw(c8.385,62.087) XT1.1@9.589,63.291 ; 8.814,63.79 cw(c8.814,62.516) XT1.1@9.715,63.417 ; 8.892,63.79 ccw(c8.892,64.42) XT1.1@9.338,63.974 ; XT1.1@10.839,63.605 cw(c11.284,63.159) 11.284,63.79 ; XT1.1@10.853,64.115 ccw(c11.207,64.145) 11.207,63.79 ; XT1.1@11.03,64.13 ccw(c11.401,64.162) 11.401,63.79 ; C9.1@11.604,63.358 ccw(c11.052,63.358) 11.443,63.748 ccw(c11.833,64.138) C9.1@11.833,63.586 ; C9.1@11.878,63.313 11.401,63.79
NetC10_1: C10.1 U2.6 XT1.2 | length 15.4
  Top Layer w0.178: U2.6@3.076,61.269 6.417,64.61 6.417,68.647 6.417,68.901 C10.1@6.29,69.028 ; XT1.2@5.908,66.435 cw(c4.68,65.207) 6.417,65.207 ; XT1.2@6.034,66.56 cw(c5.109,65.636) 6.417,65.636 ; XT1.2@6.159,66.686 cw(c5.538,66.065) XT1.2@6.417,66.065 ; C10.1@6.173,68.821 cw(c5.585,68.233) 6.417,68.233 ; C10.1@6.299,68.947 cw(c6.014,68.662) C10.1@6.417,68.662 ; 6.417,65.406 cw(c7.872,65.406) XT1.2@6.843,66.435 ; 6.417,65.835 cw(c7.443,65.835) XT1.2@6.717,66.56 ; C10.1@6.417,68.629 cw(c6.688,68.629) C10.1@6.496,68.821
NetC13_2: C13.2 R13.2 U4.31 XT2.2 | length 27.7
  Top Layer w0.178: C13.2@-4.064,47.803 -3.454,47.803 ; C13.2@-3.838,47.642 cw(c-3.454,47.265) -3.454,47.803 ; C13.2@-3.838,47.963 ccw(c-3.454,48.341) -3.454,47.803 ; -3.198,47.546 cw(c-3.558,47.186) XT2.2@-3.049,47.186 ; XT2.2@-2.438,47.186 cw(c-1.315,47.186) -2.109,47.98 ; XT2.2@-2.388,45.625 cw(c-2.388,42.942) -0.491,44.839 ; XT2.2@-2.388,45.803 cw(c-2.388,43.55) -0.794,45.143 ; XT2.2@-2.388,45.98 cw(c-2.388,44.157) -1.098,45.446 ; XT2.2@-2.388,46.158 cw(c-2.388,44.764) -1.401,45.75 ; XT2.2@-2.388,47.847 ccw(c-2.388,48.199) -2.139,47.95 ; XT2.2@-2.26,47.186 cw(c-0.708,47.186) -1.805,48.283 ; XT2.2@-2.082,47.186 cw(c-0.101,47.186) -1.502,48.587 ; XT2.2@-1.904,47.186 cw(c0.506,47.186) -1.198,48.891 ; XT2.2@-1.727,46.286 ccw(c-1.217,46.286) -1.577,45.926 ; XT2.2@-1.727,47.186 cw(c1.113,47.186) R13.2@-0.895,49.194 ; -1.311,48.777 cw(c-0.813,48.279) R13.2@-0.813,48.984 ; -1.158,48.931 ccw(c-1.44,49.212) R13.2@-1.041,49.212 ; R13.2@-0.813,49.276 -2.388,47.701 XT2.2@-2.388,46.736 ; U4.31@-0.25,42.2 -0.25,44.598 XT2.2@-2.388,46.736 ; -3.454,47.803 XT2.2@-2.388,46.736
NetC14_1: C14.1 R13.1 U4.30 XT2.1 | length 30.1
  Top Layer w0.178: U4.30@0.25,42.2 0.25,44.522 XT2.1@2.438,46.711 ; 0.627,44.899 cw(c2.438,43.088) XT2.1@2.438,45.649 ; R13.1@0.813,48.984 cw(c0.813,48.279) 1.311,48.777 ; R13.1@0.813,49.276 2.438,47.65 XT2.1@2.438,46.711 ; R13.1@0.928,49.161 cw(c-1.122,47.111) XT2.1@1.777,47.111 ; 0.931,45.203 cw(c2.438,43.695) XT2.1@2.438,45.827 ; R13.1@1.041,49.212 ccw(c1.44,49.212) 1.158,48.931 ; 1.232,48.857 cw(c-0.515,47.111) XT2.1@1.955,47.111 ; 1.234,45.506 cw(c2.438,44.302) XT2.1@2.438,46.005 ; 1.535,48.554 cw(c0.092,47.111) XT2.1@2.133,47.111 ; 1.538,45.81 cw(c2.438,44.909) XT2.1@2.438,46.183 ; 1.593,45.865 ccw(c1.147,46.311) XT2.1@1.777,46.311 ; 1.839,48.25 cw(c0.699,47.111) XT2.1@2.311,47.111 ; 2.142,47.947 cw(c1.306,47.111) XT2.1@2.489,47.111 ; XT2.1@2.231,47.857 ccw(c2.438,48.065) XT2.1@2.438,47.772 ; XT2.1@2.585,47.379 ccw(c2.831,47.83) 3.194,47.467 ; XT2.1@2.67,47.535 ccw(c2.949,48.048) 3.363,47.635 ; XT2.1@2.755,47.691 ccw(c3.068,48.265) 3.531,47.803 ; XT2.1@3.099,47.111 cw(c3.73,47.111) 3.284,47.556 ; C14.1@3.966,47.641 ccw(c3.576,47.251) 3.576,47.803 ccw(c3.576,48.355) C14.1@3.966,47.964 ; C14.1@4.191,47.803 3.531,47.803 ; XT2.1@2.438,46.711 3.531,47.803
NetC19_1: C19.1 U5.3 | length 22.4
  Top Layer w0.178: v1(-5.061,23.509) -4.711,23.509 -4.521,23.698 ; v1@-5.054,23.519 ccw(c-4.88,23.761) -4.669,23.55 ; v1@-4.95,23.663 ccw(c-4.756,23.933) -4.521,23.698 ; C19.1@-4.683,25.315 cw(c-5.073,24.924) -4.521,24.924 cw(c-3.969,24.924) C19.1@-4.36,25.315 ; C19.1@-4.521,25.476 -4.521,23.698
  Bottom Layer w0.178: U5.3@-11.493,18.35 ccw(c-12.685,19.543) -10.999,19.543 ccw(c-9.312,19.543) U5.3@-10.505,18.35 ; U5.3@-11.367,18.224 ccw(c-12.256,19.113) -10.999,19.113 ccw(c-9.742,19.113) U5.3@-10.63,18.224 ; U5.3@-11.241,18.099 ccw(c-11.826,18.684) -10.999,18.684 ccw(c-10.171,18.684) U5.3@-10.756,18.099 ; U5.3@-10.999,17.628 -10.999,23.164 -10.668,23.495 -5.064,23.495 -5.061,23.498 v1(-5.061,23.509) ; -5.554,23.495 ccw(c-5.554,24.001) v1@-5.196,23.643 ; -5.488,23.495 cw(c-5.488,23.081) v1@-5.196,23.374
NetC20_1: C20.1 U5.6 | length 14.8
  Top Layer w0.178: U5.6@-7.683,20.89 ccw(c-8.875,22.083) -7.189,22.083 ccw(c-5.502,22.083) U5.6@-6.695,20.89 ; U5.6@-7.557,20.764 ccw(c-8.446,21.653) -7.189,21.653 ccw(c-5.932,21.653) U5.6@-6.82,20.764 ; U5.6@-7.431,20.639 ccw(c-8.016,21.224) -7.189,21.224 ccw(c-6.361,21.224) U5.6@-6.946,20.639 ; U5.6@-7.189,20.168 -7.189,22.402 -6.003,23.588 C20.1@-6.003,25.476 -6.003,24.13 ; -6.003,24.924 cw(c-5.451,24.924) -5.841,25.315 ccw(c-5.451,24.924) -6.003,24.924 ; -6.003,24.924 ccw(c-6.555,24.924) -6.165,25.315 cw(c-6.555,24.924) -6.003,24.924
NetC21_2: C21.2 U4.20 | length 5.9
  Top Layer w0.178: U4.20@4.1,38.85 5.854,38.85 7.747,36.957 C21.2@8.331,36.957 ; C21.2@8.17,36.795 ccw(c7.779,36.405) 7.779,36.957 ccw(c7.779,37.509) C21.2@8.17,37.119
NetC22_2: C22.2 U4.22 | length 5.5
  Top Layer w0.178: U4.22@4.1,39.85 8.176,39.85 C22.2@8.331,40.005 ; 7.558,39.85 ccw(c7.558,40.714) C22.2@8.17,40.103 ; 7.988,39.85 ccw(c7.988,40.285) C22.2@8.295,39.977 ; 8,39.85 cw(c8,39.611) C22.2@8.17,39.78
NetLED1_A: LED1.A R1.2 | length 6.8
  Top Layer w0.178: LED1.A@12.573,48.26 R1.2@14.427,48.26 ; LED1.A@12.963,48.007 cw(c13.575,47.395) 13.575,48.26 cw(c13.575,49.125) LED1.A@12.963,48.513 ; LED1.A@13.089,47.881 cw(c14.004,46.966) 14.004,48.26 cw(c14.004,49.554) LED1.A@13.089,48.639 ; 13.669,48.26 cw(c13.669,47.058) R1.2@14.52,47.908 ; 14.099,48.26 cw(c14.099,47.487) R1.2@14.645,48.034
NetLED2_A: LED2.A R3.2 | length 8
  Top Layer w0.178: LED2.A@12.573,46.164 14.364,46.164 R3.2@14.681,46.482 ; LED2.A@12.963,45.911 cw(c13.575,45.299) 13.575,46.164 cw(c13.575,47.03) LED2.A@12.963,46.418 ; LED2.A@13.089,45.785 cw(c14.004,44.87) 14.004,46.164 cw(c14.004,47.459) LED2.A@13.089,46.544 ; 13.516,46.164 ccw(c13.516,47.584) R3.2@14.52,46.58 ; 13.945,46.164 ccw(c13.945,47.154) R3.2@14.645,46.454 ; R3.2@14.375,46.164 ccw(c14.375,46.725) R3.2@14.771,46.329
NetR6_2: R6.2 USB1.2 | length 5.6
  Top Layer w0.178: R6.2@-14.64,68.03 ccw(c-15.03,68.421) -14.478,68.421 ccw(c-13.926,68.421) R6.2@-14.316,68.03 ; R6.2@-14.478,67.869 -14.478,68.58 -14.351,68.707 -13.335,68.707 -12.812,69.23 USB1.2@-12.812,70.881 ; USB1.2@-12.891,69.8 cw(c-13.08,69.611) -12.812,69.611 cw(c-12.544,69.611) USB1.2@-12.733,69.8
NetR7_2: R7.2 USB1.3 | length 6.3
  Top Layer w0.178: R7.2@-16.037,68.03 ccw(c-16.427,68.421) -15.875,68.421 ccw(c-15.323,68.421) R7.2@-15.713,68.03 ; R7.2@-15.875,67.869 -15.875,68.58 -15.367,69.088 -13.716,69.088 -13.462,69.342 USB1.3@-13.462,70.881 ; USB1.3@-13.541,69.8 cw(c-13.73,69.611) -13.462,69.611 cw(c-13.194,69.611) USB1.3@-13.383,69.8
NetR9_1: R9.1 U4.45 | length 5.4
  Top Layer w0.178: R9.1@-8.204,35.909 -6.89,35.909 -5.949,36.85 U4.45@-4.1,36.85 ; R9.1@-8.043,35.779 cw(c-7.729,35.466) -7.729,35.909 ; R9.1@-8.043,36.103 ccw(c-7.576,36.57) -7.576,35.909
NetR10_1: R10.1 U4.44 | length 5
  Top Layer w0.178: R10.1@-8.204,37.338 -8.192,37.35 U4.44@-4.1,37.35 ; R10.1@-8.043,37.176 cw(c-7.623,36.757) -7.623,37.35 ; R10.1@-8.043,37.5 ccw(c-7.681,37.861) -7.681,37.35
NetR11_1: R11.1 U4.43 | length 5.3
  Top Layer w0.178: R11.1@-8.204,38.735 -6.985,38.735 -6.1,37.85 U4.43@-4.1,37.85 ; R11.1@-8.043,38.573 cw(c-7.652,38.183) -7.652,38.735 cw(c-7.652,39.287) R11.1@-8.043,38.897
NetR14_1: R14.1 U4.10 | length 3.6
  Top Layer w0.178: R14.1@1.693,31.594 ccw(c1.554,31.733) R14.1@1.75,31.733 ; R14.1@1.75,31.6 U4.10@1.75,34 ; 1.75,31.807 ccw(c2.228,31.807) R14.1@1.89,31.468 ; 1.75,32.236 ccw(c2.658,32.236) R14.1@2.016,31.594
NetR18_2: R18.2 U4.23 | length 5.6
  Top Layer w0.178: U4.23@4.1,40.35 5.878,40.35 7.057,41.529 R18.2@8.331,41.529 ; R18.2@8.17,41.367 ccw(c7.779,40.977) 7.779,41.529 ccw(c7.779,42.081) R18.2@8.17,41.691
NetR21_2: R21.2 U5.9 | length 31.3
  Top Layer w0.178: R21.2@-16.621,25.315 cw(c-17.011,24.924) -16.459,24.924 cw(c-15.907,24.924) R21.2@-16.298,25.315 ; R21.2@-16.459,25.476 -16.459,17.221 -12.192,12.954 -12.192,9.652 -15.466,6.378 U5.9@-15.714,6.378 ; U5.9@-15.714,6.67 ccw(c-15.714,7.972) -14.793,7.051 ; U5.9@-15.714,6.848 ccw(c-15.714,8.579) -14.489,7.355 ; U5.9@-15.714,7.025 ccw(c-15.714,9.186) -14.186,7.658 ; U5.9@-15.714,7.203 ccw(c-15.714,9.793) -13.882,7.962 ; U5.9@-15.066,6.378 cw(c-14.099,6.378) -14.783,7.061 ; U5.9@-14.888,6.378 cw(c-13.492,6.378) -14.479,7.365
NetR22_2: R22.2 U5.12 | length 29
  Top Layer w0.178: U5.12@-3.048,6.961 ccw(c-4.457,8.371) -2.464,8.371 ccw(c-0.471,8.371) U5.12@-1.88,6.961 ; U5.12@-2.922,6.836 ccw(c-4.028,7.941) -2.464,7.941 ccw(c-0.901,7.941) U5.12@-2.006,6.836 ; U5.12@-2.796,6.71 ccw(c-3.599,7.512) -2.464,7.512 ccw(c-1.33,7.512) U5.12@-2.132,6.71 ; U5.12@-2.464,6.378 -2.464,8.458 0.762,11.684 0.762,16.002 -0.076,16.84 -0.076,18.085 -0.076,18.161 R22.2@-0.076,25.476 ; R22.2@-0.238,25.315 cw(c-0.628,24.924) -0.076,24.924 cw(c0.476,24.924) R22.2@0.085,25.315
PA0: P1.3 U2.10 | length 37.2
  Top Layer w0.178: P1.3@-22.86,63.5 -15.585,63.5 -10.759,68.326 0.635,68.326 3.175,65.786 3.175,64.197 U2.10@1.662,62.684 ; P1.3@-22.518,63.158 cw(c-21.693,62.333) -21.693,63.5 cw(c-21.693,64.667) P1.3@-22.518,63.842 ; P1.3@-22.393,63.033 cw(c-21.264,61.904) -21.264,63.5 cw(c-21.264,65.096) P1.3@-22.393,63.967
PA1: P1.4 U2.11 | length 36.8
  Top Layer w0.178: P1.4@-22.86,60.96 -17.622,60.96 -10.612,67.97 0.102,67.97 2.667,65.405 2.667,64.396 U2.11@1.308,63.037 ; P1.4@-22.518,60.618 cw(c-21.693,59.793) -21.693,60.96 cw(c-21.693,62.127) P1.4@-22.518,61.302 ; P1.4@-22.393,60.493 cw(c-21.264,59.364) -21.264,60.96 cw(c-21.264,62.556) P1.4@-22.393,61.427
PA2: P1.5 U2.12 | length 36.4
  Top Layer w0.178: P1.5@-22.86,58.42 -19.659,58.42 -10.465,67.615 -0.432,67.615 2.159,65.024 2.159,64.595 U2.12@0.955,63.391 ; P1.5@-22.518,58.078 cw(c-21.693,57.253) -21.693,58.42 cw(c-21.693,59.587) P1.5@-22.518,58.762 ; P1.5@-22.393,57.953 cw(c-21.264,56.824) -21.264,58.42 cw(c-21.264,60.016) P1.5@-22.393,58.887
PA3: P1.6 U2.13 | length 30.7
  Top Layer w0.178: P1.6@-22.86,55.88 -21.697,55.88 ; P1.6@-22.445,55.633 cw(c-22.01,55.373) -22.01,55.88 cw(c-22.01,56.387) P1.6@-22.445,56.127 ; P1.6@-22.292,55.542 cw(c-21.697,55.187) -21.697,55.88 ; P1.6@-22.292,56.218 ccw(c-21.697,56.573) -21.697,55.88 ; U2.13@-0.955,63.391 -4.823,67.259 -10.317,67.259 -21.697,55.88
PA4: P1.7 U2.14 | length 33.6
  Top Layer w0.178: P1.7@-22.86,53.34 -21.468,53.34 ; P1.7@-22.485,53.035 cw(c-21.842,52.51) -21.842,53.34 cw(c-21.842,54.17) P1.7@-22.485,53.645 ; P1.7@-22.348,52.922 cw(c-21.468,52.205) -21.468,53.34 ; P1.7@-22.348,53.758 ccw(c-21.468,54.475) -21.468,53.34 ; U2.14@-1.308,63.037 -5.175,66.904 -10.17,66.904 -19.99,57.084 -19.99,54.818 -21.468,53.34
PA5: P1.8 U2.15 | length 35.4
  Top Layer w0.178: P1.8@-22.86,50.8 -20.32,53.34 -20.32,53.985 -19.634,54.671 -19.634,56.937 -10.023,66.548 -5.526,66.548 U2.15@-1.662,62.684 ; P1.8@-22.86,51.283 ccw(c-22.86,52.45) -22.035,51.625 ccw(c-21.21,50.8) P1.8@-22.377,50.8 ; P1.8@-22.86,51.461 ccw(c-22.86,53.057) -21.731,51.929 ccw(c-20.603,50.8) P1.8@-22.199,50.8
PA6: P1.9 U2.16 | length 37.1
  Top Layer w0.178: P1.9@-22.86,48.26 -19.558,51.562 -19.558,54.244 -19.279,54.524 -19.279,56.789 -9.875,66.192 -5.878,66.192 U2.16@-2.015,62.33 ; P1.9@-22.86,48.743 ccw(c-22.86,49.91) -22.035,49.085 ccw(c-21.21,48.26) P1.9@-22.377,48.26 ; P1.9@-22.86,48.921 ccw(c-22.86,50.517) -21.731,49.389 ccw(c-20.603,48.26) P1.9@-22.199,48.26